# KiCad board daq-eval-board.kicad_pcb (continued)
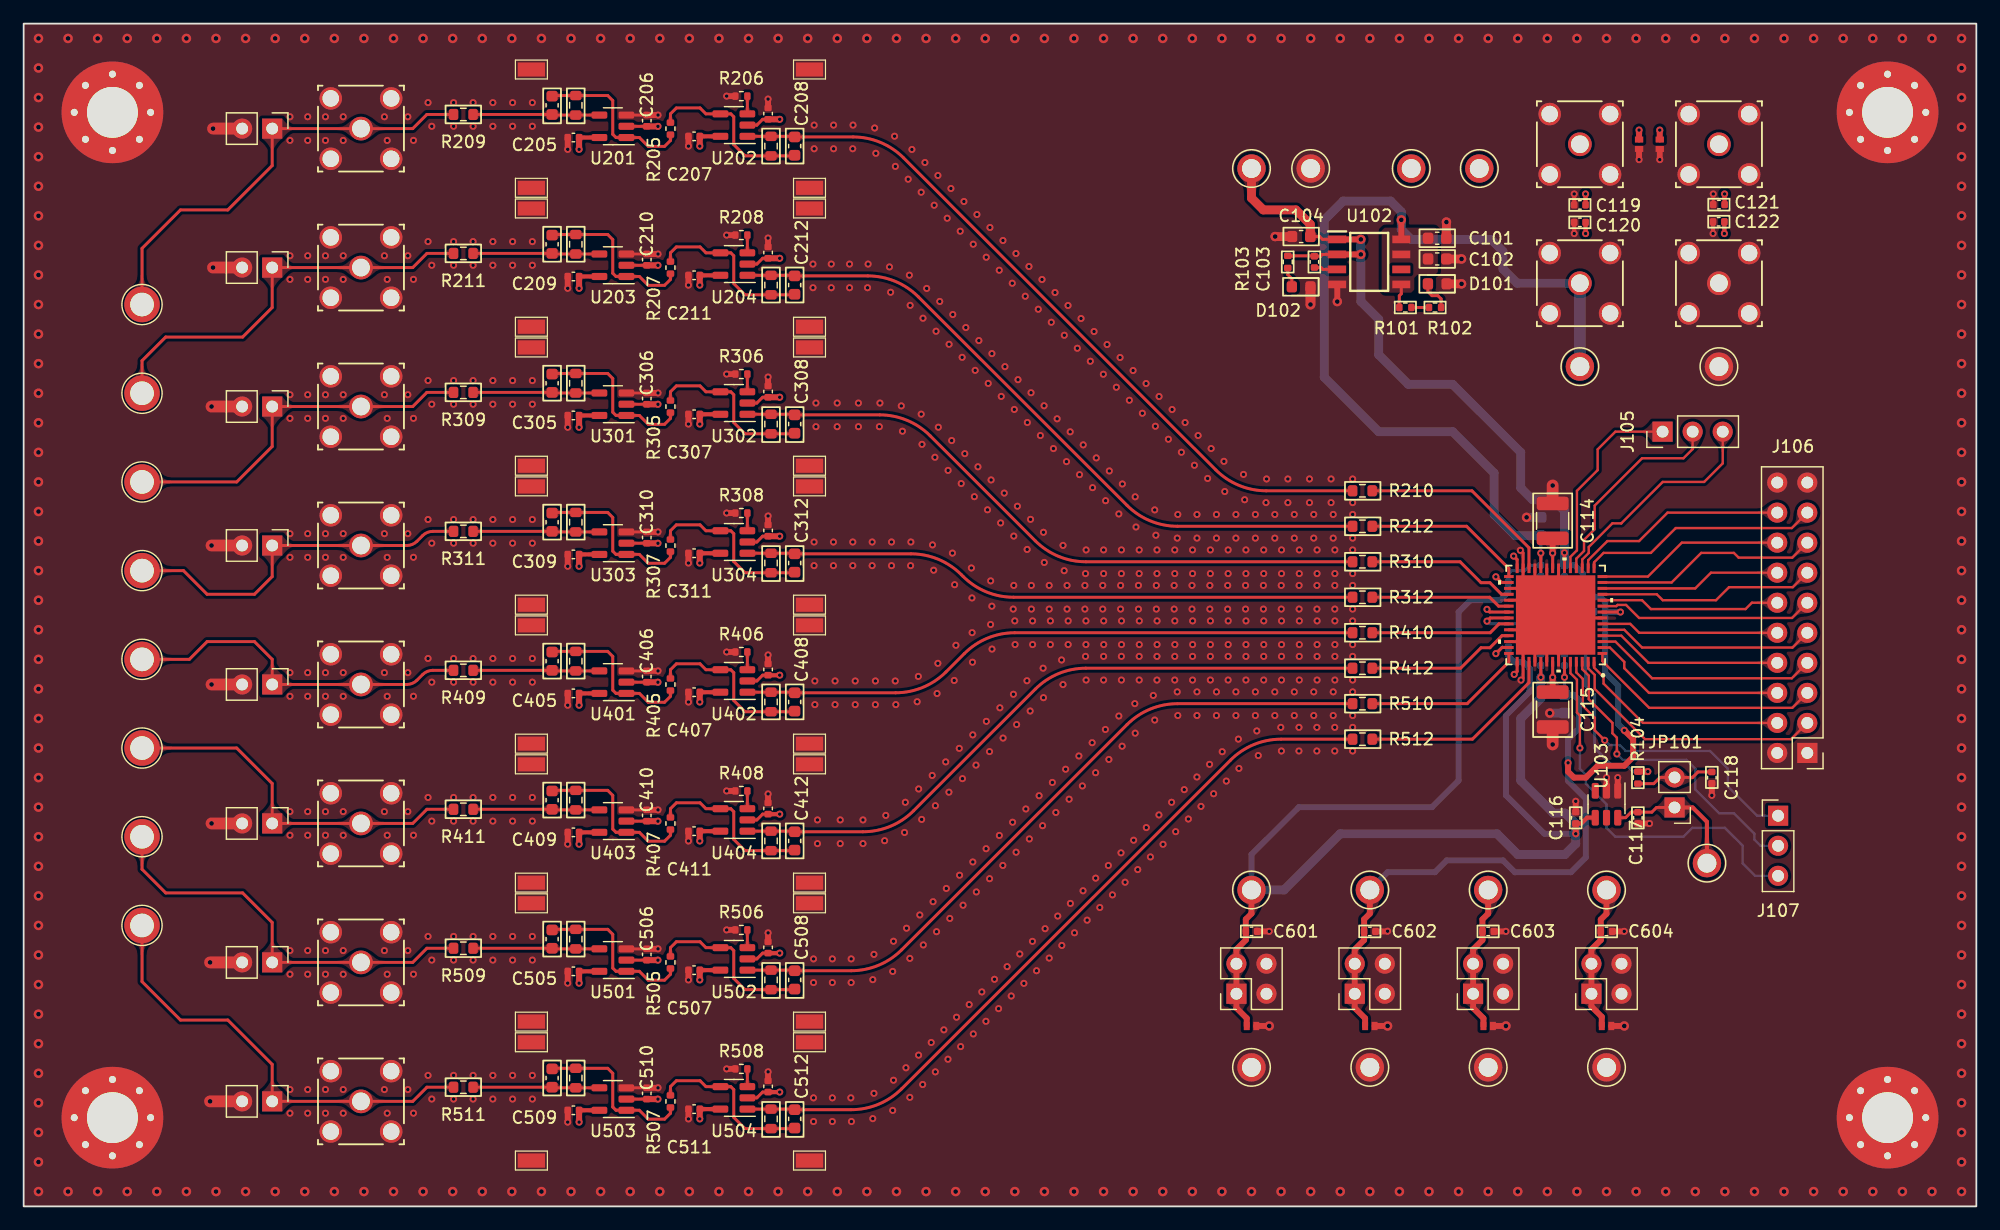
[diagram p0: board, top side]
## Routing (per net, layer and track width the routed paths; a pad name or vN(x,y) marks a point on that pad's centre or on a via; arc(x,y) is an arc through that point) (continued)
Net-(D101-A): length 2.8
  Top w0.25: D101.2 118.66,77.34 119,77 119.5,77 119.77,76.73 R102.2
Net-(D102-A): length 1.7
  Top w0.25: D102.2 107.16,78.43 106.82,78.78 R103.2
Net-(JP101-A): length 11.9
  Top w0.25: U103.6 135.36,32.86 135.83,33.33 C117.1 137.58,33.33 137.97,33.72 JP101.1
  Top w0.35: JP101.1 141.03,33.72 142.24,32.52 TP106.1
Net-(JP101-B): length 6.7
  Top w0.25: R104.1 137.74,35.74 138.26,36.27 JP101.2 141.01,36.27 141.48,36.73 C118.1
Net-(R101-Pad2): length 1.5
  Top w0.25: R102.1 R101.2
Net-(U201--IN): length 10.6
  Top w0.25: 44.7,92.27 R201.2 U201.4 ; R209.1 C201.1
Net-(U201-OUT): length 14.1
  Top w0.25: R205.2 54.65,90.12 54.15,89.62 52.78,89.62 52.03,90.37 U201.1 50.05,90.37 49.78,90.65 49.78,93.5 49.35,93.92 R201.1 44.7,93.92
Net-(U202-+IN): length 1.5
  Top w0.25: U202.3 R206.1
Net-(U202--IN): length 14.5
  Top w0.25: R205.1 54.65,92.37 55.15,92.87 57.15,92.87 57.65,92.37 U202.4 59.75,92.37 60,92.12 60,89.77 60.95,88.82 R202.2 65.1,88.82
Net-(U202-OUT): length 63
  Top w0.25: C202.2 70.08,90.42 arc(72.39,89.96) 74.35,88.65 100.73,62.27 arc(102.69,60.96) 105,60.5 R210.2 ; 65.1,90.47 R202.1 U202.1
Net-(U203--IN): length 10.6
  Top w0.25: U203.4 R203.2 44.7,80.52 ; C203.1 R211.1
Net-(U203-OUT): length 14.1
  Top w0.25: 44.7,82.17 R203.1 49.35,82.17 49.78,81.75 49.78,78.9 50.05,78.62 U203.1 52.03,78.62 52.78,77.87 54.15,77.87 54.65,78.37 R207.2
Net-(U204-+IN): length 1.5
  Top w0.25: U204.3 R208.1
Net-(U204--IN): length 14.5
  Top w0.25: R207.1 54.65,80.62 55.15,81.12 57.15,81.12 57.65,80.62 U204.4 59.75,80.62 60,80.37 60,78.02 60.95,77.07 R204.2 65.1,77.07
Net-(U204-OUT): length 59.3
  Top w0.25: R212.2 97.5,57.5 arc(95.19,57.96) 93.23,59.27 75.6,76.9 arc(73.64,78.21) 71.33,78.67 C204.2 ; U204.1 R204.1 65.1,78.72
Net-(U301--IN): length 10.6
  Top w0.25: 44.7,68.77 R301.2 U301.4 ; R309.1 C301.1
Net-(U301-OUT): length 14.1
  Top w0.25: R305.2 54.65,66.62 54.15,66.12 52.78,66.12 52.03,66.87 U301.1 50.05,66.87 49.78,67.15 49.78,70 49.35,70.42 R301.1 44.7,70.42
Net-(U302-+IN): length 1.5
  Top w0.25: U302.3 R306.1
Net-(U302--IN): length 14.5
  Top w0.25: 65.1,65.32 R302.2 60.95,65.32 60,66.27 60,68.62 59.75,68.87 U302.4 57.65,68.87 57.15,69.37 55.15,69.37 54.65,68.87 R305.1
Net-(U302-OUT): length 55.7
  Top w0.25: U302.1 R302.1 65.1,66.97 ; R310.2 89.75,54.5 arc(87.44,54.96) 85.48,56.27 76.6,65.15 arc(74.64,66.46) 72.33,66.92 C302.2
Net-(U303--IN): length 10.6
  Top w0.25: R311.1 C303.1 ; 44.7,57.02 R303.2 U303.4
Net-(U303-OUT): length 14.1
  Top w0.25: R307.2 54.65,54.87 54.15,54.37 52.78,54.37 52.03,55.12 U303.1 50.05,55.12 49.78,55.4 49.78,58.25 49.35,58.67 R303.1 44.7,58.67
Net-(U304-+IN): length 1.5
  Top w0.25: U304.3 R308.1
Net-(U304--IN): length 14.5
  Top w0.25: R307.1 54.65,57.12 55.15,57.62 57.15,57.62 57.65,57.12 U304.4 59.75,57.12 60,56.87 60,54.52 60.95,53.57 R304.2 65.1,53.57
Net-(U304-OUT): length 52.1
  Top w0.25: C304.2 74.97,55.17 arc(77.28,54.71) 79.24,53.4 79.37,53.27 arc(81.33,51.96) 83.64,51.5 R312.2 ; 65.1,55.22 R304.1 U304.1
Net-(U401--IN): length 10.6
  Top w0.25: R409.1 C401.1 ; 44.7,45.27 R401.2 U401.4
Net-(U401-OUT): length 14.1
  Top w0.25: 44.7,46.92 R401.1 49.35,46.92 49.78,46.5 49.78,43.65 50.05,43.37 U401.1 52.03,43.37 52.78,42.62 54.15,42.62 54.65,43.12 R405.2
Net-(U402-+IN): length 1.5
  Top w0.25: U402.3 R406.1
Net-(U402--IN): length 14.5
  Top w0.25: R405.1 54.65,45.37 55.15,45.87 57.15,45.87 57.65,45.37 U402.4 59.75,45.37 60,45.12 60,42.77 60.95,41.82 R402.2 65.1,41.82
Net-(U402-OUT): length 52.7
  Top w0.25: 65.1,43.47 R402.1 U402.1 ; C402.2 73.67,43.42 arc(75.98,43.88) 77.94,45.19 79.48,46.73 arc(81.44,48.04) 83.75,48.5 R410.2
Net-(U403--IN): length 10.6
  Top w0.25: 44.7,33.52 R403.2 U403.4 ; R411.1 C403.1
Net-(U403-OUT): length 14.1
  Top w0.25: 44.7,35.17 R403.1 49.35,35.17 49.78,34.75 49.78,31.9 50.05,31.62 U403.1 52.03,31.62 52.78,30.87 54.15,30.87 54.65,31.37 R407.2
Net-(U404-+IN): length 1.5
  Top w0.25: U404.3 R408.1
Net-(U404--IN): length 14.5
  Top w0.25: 65.1,30.07 R404.2 60.95,30.07 60,31.02 60,33.37 59.75,33.62 U404.4 57.65,33.62 57.15,34.12 55.15,34.12 54.65,33.62 R407.1
Net-(U404-OUT): length 56.3
  Top w0.25: C404.2 70.92,31.67 arc(73.23,32.13) 75.19,33.44 85.48,43.73 arc(87.44,45.04) 89.75,45.5 R412.2 ; U404.1 R404.1 65.1,31.72
Net-(U501--IN): length 10.6
  Top w0.25: 44.7,21.77 R501.2 U501.4 ; R509.1 C501.1
Net-(U501-OUT): length 14.1
  Top w0.25: 44.7,23.42 R501.1 49.35,23.42 49.78,23 49.78,20.15 50.05,19.87 U501.1 52.03,19.87 52.78,19.12 54.15,19.12 54.65,19.62 R505.2
Net-(U502-+IN): length 1.5
  Top w0.25: U502.3 R506.1
Net-(U502--IN): length 14.5
  Top w0.25: 65.1,18.32 R502.2 60.95,18.32 60,19.27 60,21.62 59.75,21.87 U502.4 57.65,21.87 57.15,22.37 55.15,22.37 54.65,21.87 R505.1
Net-(U502-OUT): length 59.9
  Top w0.25: C502.2 69.92,19.92 arc(72.23,20.38) 74.19,21.69 93.23,40.73 arc(95.19,42.04) 97.5,42.5 R510.2 ; U502.1 R502.1 65.1,19.97
Net-(U503--IN): length 10.6
  Top w0.25: U503.4 R503.2 44.7,10.02 ; R511.1 C503.1
Net-(U503-OUT): length 14.1
  Top w0.25: R507.2 54.65,7.87 54.15,7.37 52.78,7.37 52.03,8.12 U503.1 50.05,8.12 49.78,8.4 49.78,11.25 49.35,11.67 R503.1 44.7,11.67
Net-(U504-+IN): length 1.5
  Top w0.25: U504.3 R508.1
Net-(U504--IN): length 14.5
  Top w0.25: R507.1 54.65,10.12 55.15,10.62 57.15,10.62 57.65,10.12 U504.4 59.75,10.12 60,9.87 60,7.52 60.95,6.57 R504.2 65.1,6.57
Net-(U504-OUT): length 63.6
  Top w0.25: 65.1,8.22 R504.1 U504.1 ; R512.2 106.25,39.5 arc(103.94,39.04) 101.98,37.73 74.19,9.94 arc(72.23,8.63) 69.92,8.17 C504.2

## Copper pours and planes (outline as drawn; the poured copper is in the pictures)
+2V5 on In2.Cu: 0,100 165,100 165,0 0,0
+5V on Top: 114.75,82.5 115,82.75 119.25,82.75 119.5,82.5 119.5,79 119.25,78.75 117.75,78.75 117.5,78.5 117.5,77.5 117.25,77.25 115,77.25 114.75,77.5
-2V5 on In3.Cu: 0,100 165,100 165,0 0,0
/analog-digital-conversion/ADC_RDC on In1.Cu: 132.5,43.25 123.25,43.25 122.25,44.25 122.25,55.75 123.25,56.75 132.5,56.75
Earth on Top: 0,100 165,100 165,0 0,0
Earth on Bottom: 0,100 165,100 165,0 0,0
Earth on In1.Cu: 0,100 165,100 165,0 0,0
Earth on In4.Cu: 0,100 165,100 165,0 0,0

Small or netless copper shapes (teardrops, artwork), in the pictures only: 530 on Top, 41 on Bottom
